# KiCad board WS2812B LED Ring7.kicad_pcb (continued)
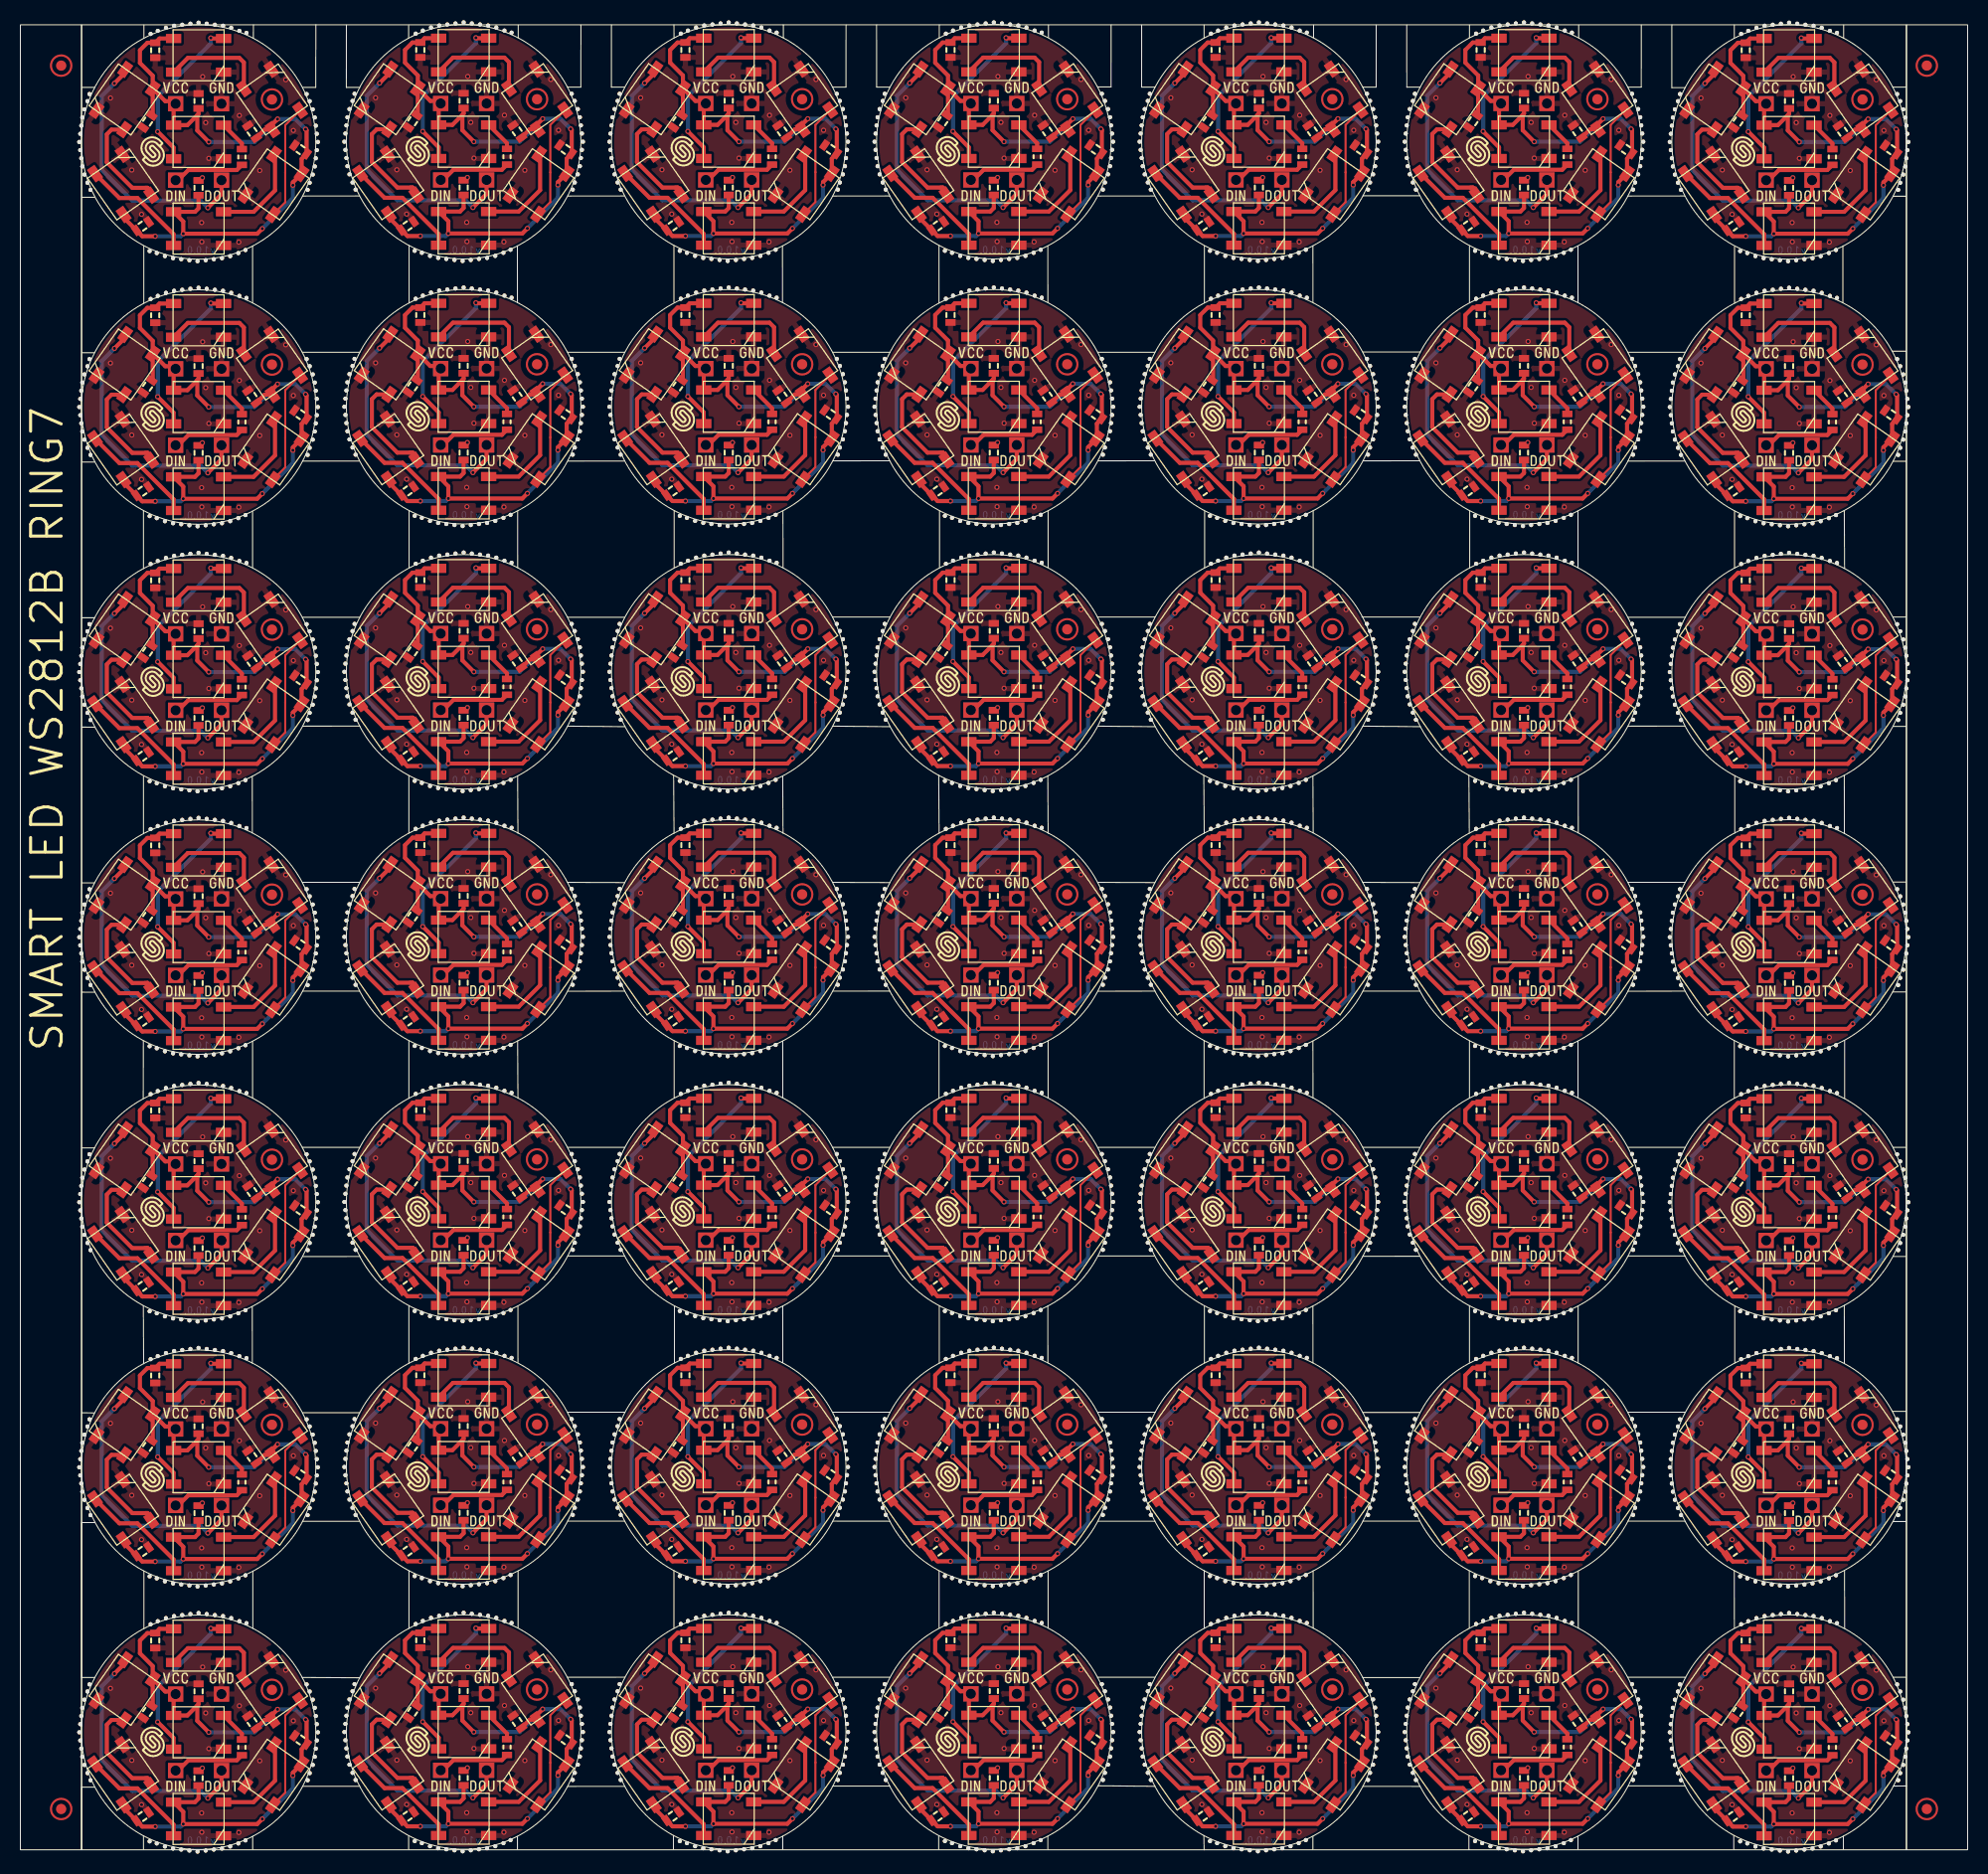
[diagram p0: board, top side]
## Placement (name value [footprint] x y rotation side) (continued)
REF**#671  -  [HOLE_0.5mm]  12.67 130.83 270 top
REF**#672  -  [HOLE_0.5mm]  161.97 87.94 180 top
REF**#673  -  [HOLE_0.5mm]  40.97 104.16 270 top
REF**#674  -  [HOLE_0.5mm]  184.88 143.94 0 top
REF**#675  -  [HOLE_0.5mm]  132.07 42.26 0 top
REF**#676  -  [HOLE_0.5mm]  54.88 87.16 0 top
REF**#677  -  [HOLE_0.5mm]  41.88 23.06 90 top
REF**#678  Logo-Front-SolderedFULL-15mm  [Logo-Back-SolderedFULL-15mm]  147.91 89.82 0 top
REF**#679  -  [HOLE_0.5mm]  185.07 166.73 0 top
REF**#680  -  [HOLE_0.5mm]  94.57 103.96 270 top
REF**#681  -  [HOLE_0.5mm]  58.28 92.76 180 top
REF**#682  -  [HOLE_0.5mm]  158.97 139.96 0 top
REF**#683  -  [HOLE_0.5mm]  176.68 178.73 90 top
REF**#684  -  [HOLE_0.5mm]  70.97 130.06 270 top
REF**#685  -  [HOLE_0.5mm]  45.08 127.06 90 top
REF**#686  -  [HOLE_0.5mm]  67.07 100.96 90 top
REF**#687  -  [HOLE_0.5mm]  178.18 126.23 90 top
REF**#688  -  [HOLE_0.5mm]  148.18 129.96 270 top
REF**#689  -  [HOLE_0.5mm]  5.78 115.53 180 top
REF**#690  -  [HOLE_0.5mm]  28.88 65.94 0 top
REF**#691  -  [HOLE_0.5mm]  83.88 62.76 180 top
REF**#692  -  [HOLE_0.5mm]  110.57 111.56 180 top
REF**#693  -  [HOLE_0.5mm]  132.88 143.96 0 top
REF**#694  -  [HOLE_0.5mm]  74.18 48.26 90 top
REF**#695  -  [HOLE_0.5mm]  15.08 22.94 90 top
REF**#696  -  [HOLE_0.5mm]  57.88 140.76 180 top
REF**#697  -  [HOLE_0.5mm]  38.78 22.16 90 top
REF**#698  -  [HOLE_0.5mm]  118.28 100.76 90 top
REF**#699  Logo-Front-SolderedFULL-15mm  [Logo-Back-SolderedFULL-15mm]  121.91 115.82 0 top
REF**#700  -  [HOLE_0.5mm]  54.38 137.56 0 top
REF**#701  -  [HOLE_0.5mm]  84.28 92.76 180 top
REF**#702  -  [HOLE_0.5mm]  83.88 64.36 180 top
REF**#703  -  [HOLE_0.5mm]  92.97 156.16 270 top
REF**#704  -  [HOLE_0.5mm]  120.68 127.16 90 top
REF**#705  -  [HOLE_0.5mm]  150.68 100.76 90 top
REF**#706  -  [HOLE_0.5mm]  168.78 74.13 90 top
REF**#707  -  [HOLE_0.5mm]  5.88 142.33 180 top
REF**#708  -  [HOLE_0.5mm]  136.88 162.86 180 top
REF**#709  -  [HOLE_0.5mm]  136.07 117.96 180 top
REF**#710  -  [HOLE_0.5mm]  132.38 93.56 0 top
REF**#711  -  [HOLE_0.5mm]  31.97 139.96 180 top
REF**#712  -  [HOLE_0.5mm]  109.88 168.36 180 top
REF**#713  -  [HOLE_0.5mm]  84.28 14.76 180 top
REF**#714  -  [HOLE_0.5mm]  162.57 41.53 180 top
REF**#715  -  [HOLE_0.5mm]  118.18 156.36 270 top
REF**#716  -  [HOLE_0.5mm]  71.78 26.16 270 top
REF**#717  -  [HOLE_0.5mm]  162.28 14.73 180 top
REF**#718  -  [HOLE_0.5mm]  184.07 120.23 0 top
REF**#719  -  [HOLE_0.5mm]  54.88 13.96 0 top
REF**#720  -  [HOLE_0.5mm]  15.08 100.94 90 top
REF**#721  -  [HOLE_0.5mm]  184.68 144.73 0 top
REF**#722  -  [HOLE_0.5mm]  29.17 37.53 0 top
REF**#723  -  [HOLE_0.5mm]  169.47 126.44 90 top
REF**#724  -  [HOLE_0.5mm]  158.38 41.56 0 top
REF**#725  -  [HOLE_0.5mm]  170.18 0.33 270 top
REF**#726  -  [HOLE_0.5mm]  80.88 91.96 0 top
REF**#727  -  [HOLE_0.5mm]  67.07 126.96 90 top
REF**#728  -  [HOLE_0.5mm]  80.68 14.76 0 top
REF**#729  -  [HOLE_0.5mm]  57.88 38.36 180 top
REF**#730  -  [HOLE_0.5mm]  80.88 165.16 0 top
REF**#731  -  [HOLE_0.5mm]  46.67 100.76 90 top
REF**#732  -  [HOLE_0.5mm]  41.88 49.06 90 top
REF**#733  -  [HOLE_0.5mm]  38.67 0.86 270 top
REF**#734  -  [HOLE_0.5mm]  123.78 78.16 270 top
REF**#735  -  [HOLE_0.5mm]  83.97 113.96 180 top
REF**#736  -  [HOLE_0.5mm]  54.97 65.16 0 top
REF**#737  -  [HOLE_0.5mm]  80.68 118.76 0 top
REF**#738  -  [HOLE_0.5mm]  110.57 67.56 180 top
REF**#739  -  [HOLE_0.5mm]  132.88 139.16 0 top
REF**#740  -  [HOLE_0.5mm]  176.68 100.73 90 top
REF**#741  -  [HOLE_0.5mm]  95.47 179.26 90 top
REF**#742  -  [HOLE_0.5mm]  55.08 142.36 0 top
REF**#743  -  [HOLE_0.5mm]  171.88 75.03 90 top
REF**#744  -  [HOLE_0.5mm]  133.07 114.76 0 top
REF**#745  -  [HOLE_0.5mm]  55.17 167.56 0 top
REF**#746  -  [HOLE_0.5mm]  5.97 87.94 180 top
REF**#747  -  [HOLE_0.5mm]  184.97 39.13 0 top
REF**#748  -  [HOLE_0.5mm]  29.08 142.33 0 top
REF**#749  -  [HOLE_0.5mm]  16.58 155.94 270 top
REF**#750  -  [HOLE_0.5mm]  109.78 167.56 180 top
REF**#751  -  [HOLE_0.5mm]  176.57 156.33 270 top
REF**#752  -  [HOLE_0.5mm]  143.38 156.66 270 top
REF**#753  -  [HOLE_0.5mm]  80.38 67.56 0 top
REF**#754  -  [HOLE_0.5mm]  90.78 100.16 90 top
REF**#755  -  [HOLE_0.5mm]  135.97 169.16 180 top
REF**#756  -  [HOLE_0.5mm]  6.58 41.53 180 top
REF**#757  -  [HOLE_0.5mm]  184.38 171.53 0 top
REF**#758  -  [HOLE_0.5mm]  170.97 52.13 270 top
REF**#759  -  [HOLE_0.5mm]  110.78 120.26 180 top
REF**#760  -  [HOLE_0.5mm]  174.28 23.13 90 top
REF**#761  -  [HOLE_0.5mm]  80.18 162.86 0 top
REF**#762  -  [HOLE_0.5mm]  32.28 60.36 180 top
REF**#763  -  [HOLE_0.5mm]  80.88 113.16 0 top
REF**#764  -  [HOLE_0.5mm]  47.38 0.66 270 top
REF**#765  -  [HOLE_0.5mm]  73.38 156.66 270 top
REF**#766  -  [HOLE_0.5mm]  31.88 140.76 180 top
REF**#767  -  [HOLE_0.5mm]  184.97 35.94 0 top
REF**#768  -  [HOLE_0.5mm]  94.68 101.16 90 top
REF**#769  -  [HOLE_0.5mm]  184.88 35.13 0 top
REF**#770  -  [HOLE_0.5mm]  32.08 165.16 180 top
REF**#771  -  [HOLE_0.5mm]  184.38 163.53 0 top
REF**#772  -  [HOLE_0.5mm]  6.58 15.53 180 top
REF**#773  -  [HOLE_0.5mm]  178.07 78.94 270 top
REF**#774  -  [HOLE_0.5mm]  116.68 156.86 270 top
REF**#775  -  [HOLE_0.5mm]  97.78 52.16 270 top
REF**#776  -  [HOLE_0.5mm]  6.08 13.94 180 top
REF**#777  -  [HOLE_0.5mm]  161.88 38.33 180 top
REF**#778  -  [HOLE_0.5mm]  158.38 163.56 0 top
REF**#779  -  [HOLE_0.5mm]  43.38 25.86 270 top
REF**#780  -  [HOLE_0.5mm]  80.88 143.96 0 top
REF**#781  -  [HOLE_0.5mm]  64.68 130.86 270 top
REF**#782  -  [HOLE_0.5mm]  124.68 100.76 90 top
REF**#783  -  [HOLE_0.5mm]  5.88 12.33 180 top
REF**#784  -  [HOLE_0.5mm]  126.07 52.96 270 top
REF**#785  -  [HOLE_0.5mm]  54.38 145.56 0 top
REF**#786  -  [HOLE_0.5mm]  93.07 178.96 90 top
REF**#787  -  [HOLE_0.5mm]  150.57 156.36 270 top
REF**#788  -  [HOLE_0.5mm]  55.08 88.76 0 top
REF**#789  -  [HOLE_0.5mm]  168.68 0.83 270 top
REF**#790  -  [HOLE_0.5mm]  95.47 101.26 90 top
REF**#791  -  [HOLE_0.5mm]  40.28 74.76 90 top
REF**#792  -  [HOLE_0.5mm]  136.07 39.96 180 top
REF**#793  -  [HOLE_0.5mm]  31.88 36.76 180 top
REF**#794  -  [HOLE_0.5mm]  28.38 119.53 0 top
REF**#795  -  [HOLE_0.5mm]  147.38 129.86 270 top
REF**#796  -  [HOLE_0.5mm]  48.08 104.96 270 top
REF**#797  -  [HOLE_0.5mm]  135.97 61.96 180 top
REF**#798  -  [HOLE_0.5mm]  116.68 78.86 270 top
REF**#799  -  [HOLE_0.5mm]  68.68 23.16 90 top
REF**#800  -  [HOLE_0.5mm]  90.78 48.16 90 top
REF**#801  -  [HOLE_0.5mm]  121.47 153.26 90 top
REF**#802  -  [HOLE_0.5mm]  69.38 155.86 270 top
REF**#803  -  [HOLE_0.5mm]  5.78 11.53 180 top
REF**#804  -  [HOLE_0.5mm]  39.47 100.46 90 top
REF**#805  -  [HOLE_0.5mm]  28.88 87.13 0 top
REF**#806  -  [HOLE_0.5mm]  152.07 104.96 270 top
REF**#807  -  [HOLE_0.5mm]  31.78 167.56 180 top
REF**#808  -  [HOLE_0.5mm]  32.58 85.56 180 top
REF**#809  -  [HOLE_0.5mm]  48.08 156.96 270 top
REF**#810  -  [HOLE_0.5mm]  136.28 138.36 180 top
REF**#811  -  [HOLE_0.5mm]  32.88 162.86 180 top
REF**#812  -  [HOLE_0.5mm]  84.28 34.36 180 top
REF**#813  -  [HOLE_0.5mm]  177.47 152.44 90 top
REF**#814  -  [HOLE_0.5mm]  84.28 8.36 180 top
REF**#815  -  [HOLE_0.5mm]  40.28 152.76 90 top
REF**#816  -  [HOLE_0.5mm]  175.88 152.94 90 top
REF**#817  -  [HOLE_0.5mm]  145.78 52.06 270 top
REF**#818  -  [HOLE_0.5mm]  47.38 130.66 270 top
REF**#819  -  [HOLE_0.5mm]  135.97 117.16 180 top
REF**#820  -  [HOLE_0.5mm]  122.97 52.06 270 top
REF**#821  -  [HOLE_0.5mm]  106.97 65.16 0 top
REF**#822  -  [HOLE_0.5mm]  91.38 52.66 270 top
REF**#823  -  [HOLE_0.5mm]  80.38 41.56 0 top
REF**#824  -  [HOLE_0.5mm]  97.88 178.96 90 top
REF**#825  -  [HOLE_0.5mm]  147.38 155.86 270 top
REF**#826  -  [HOLE_0.5mm]  136.28 86.36 180 top
REF**#827  -  [HOLE_0.5mm]  90.68 78.86 270 top
REF**#828  -  [HOLE_0.5mm]  158.97 61.96 0 top
REF**#829  -  [HOLE_0.5mm]  172.68 49.13 90 top
REF**#830  -  [HOLE_0.5mm]  178.18 74.23 90 top
REF**#831  -  [HOLE_0.5mm]  54.67 164.36 0 top
REF**#832  -  [HOLE_0.5mm]  117.38 156.66 270 top
REF**#833  -  [HOLE_0.5mm]  6.28 144.73 180 top
REF**#834  -  [HOLE_0.5mm]  22.17 178.23 90 top
REF**#835  -  [HOLE_0.5mm]  67.07 152.96 90 top
REF**#836  -  [HOLE_0.5mm]  83.88 116.36 180 top
REF**#837  -  [HOLE_0.5mm]  54.38 111.56 0 top
REF**#838  -  [HOLE_0.5mm]  55.08 90.36 0 top
REF**#839  -  [HOLE_0.5mm]  123.88 152.96 90 top
REF**#840  -  [HOLE_0.5mm]  132.38 41.56 0 top
REF**#841  -  [HOLE_0.5mm]  121.47 75.26 90 top
REF**#842  -  [HOLE_0.5mm]  21.38 156.63 270 top
REF**#843  -  [HOLE_0.5mm]  169.47 74.44 90 top
REF**#844  -  [HOLE_0.5mm]  161.88 62.73 180 top
REF**#845  -  [HOLE_0.5mm]  123.78 104.16 270 top
REF**#846  -  [HOLE_0.5mm]  185.07 64.33 0 top
REF**#847  -  [HOLE_0.5mm]  58.58 163.56 180 top
REF**#848  -  [HOLE_0.5mm]  106.07 120.26 0 top
REF**#849  -  [HOLE_0.5mm]  40.97 130.16 270 top
REF**#850  -  [HOLE_0.5mm]  28.08 94.23 0 top
REF**#851  -  [HOLE_0.5mm]  16.58 -0.06 270 top
REF**#852  -  [HOLE_0.5mm]  132.68 66.76 0 top
REF**#853  -  [HOLE_0.5mm]  83.97 169.16 180 top
REF**#854  -  [HOLE_0.5mm]  54.08 172.26 0 top
REF**#855  -  [HOLE_0.5mm]  45.08 101.06 90 top
REF**#856  Logo-Front-SolderedFULL-15mm  [Logo-Back-SolderedFULL-15mm]  17.91 63.79 0 top
REF**#857  -  [HOLE_0.5mm]  122.28 127.16 90 top
REF**#858  -  [HOLE_0.5mm]  54.97 165.96 0 top
REF**#859  -  [HOLE_0.5mm]  54.17 6.86 0 top
REF**#860  -  [HOLE_0.5mm]  162.07 9.13 180 top
REF**#861  -  [HOLE_0.5mm]  158.97 117.16 0 top
REF**#862  -  [HOLE_0.5mm]  117.47 126.46 90 top
REF**#863  -  [HOLE_0.5mm]  94.57 77.96 270 top
REF**#864  -  [HOLE_0.5mm]  132.97 9.96 0 top
REF**#865  -  [HOLE_0.5mm]  21.38 52.63 270 top
REF**#866  -  [HOLE_0.5mm]  135.97 87.96 180 top
REF**#867  -  [HOLE_0.5mm]  121.38 51.86 270 top
REF**#868  -  [HOLE_0.5mm]  149.78 156.16 270 top
REF**#869  -  [HOLE_0.5mm]  158.07 120.26 0 top
REF**#870  -  [HOLE_0.5mm]  84.07 39.96 180 top
REF**#871  -  [HOLE_0.5mm]  135.97 9.96 180 top
REF**#872  -  [HOLE_0.5mm]  96.18 155.96 270 top
REF**#873  -  [HOLE_0.5mm]  28.08 172.23 0 top
REF**#874  -  [HOLE_0.5mm]  83.97 143.16 180 top
REF**#875  -  [HOLE_0.5mm]  106.97 165.96 0 top
REF**#876  -  [HOLE_0.5mm]  18.17 103.94 270 top
REF**#877  -  [HOLE_0.5mm]  93.07 74.96 90 top
REF**#878  -  [HOLE_0.5mm]  99.38 130.66 270 top
REF**#879  -  [HOLE_0.5mm]  28.38 7.53 0 top
REF**#880  -  [HOLE_0.5mm]  80.68 112.36 0 top
REF**#881  -  [HOLE_0.5mm]  149.88 100.96 90 top
REF**#882  -  [HOLE_0.5mm]  54.17 136.86 0 top
REF**#883  -  [HOLE_0.5mm]  144.28 178.76 90 top
REF**#884  -  [HOLE_0.5mm]  55.17 89.56 0 top
REF**#885  -  [HOLE_0.5mm]  80.97 39.16 0 top
REF**#886  -  [HOLE_0.5mm]  64.78 126.16 90 top
REF**#887  -  [HOLE_0.5mm]  171.88 49.03 90 top
REF**#888  -  [HOLE_0.5mm]  178.07 104.94 270 top
REF**#889  -  [HOLE_0.5mm]  12.78 22.13 90 top
REF**#890  -  [HOLE_0.5mm]  70.28 153.16 90 top
REF**#891  -  [HOLE_0.5mm]  5.88 62.73 180 top
REF**#892  -  [HOLE_0.5mm]  132.07 146.26 0 top
REF**#893  -  [HOLE_0.5mm]  74.07 104.96 270 top
REF**#894  -  [HOLE_0.5mm]  184.97 91.13 0 top
REF**#895  -  [HOLE_0.5mm]  158.97 35.96 0 top
REF**#896  -  [HOLE_0.5mm]  159.18 37.56 0 top
REF**#897  -  [HOLE_0.5mm]  136.78 94.26 180 top
REF**#898  -  [HOLE_0.5mm]  149.07 153.06 90 top
REF**#899  -  [HOLE_0.5mm]  98.57 156.36 270 top
REF**#900  -  [HOLE_0.5mm]  123.07 179.06 90 top
REF**#901  -  [HOLE_0.5mm]  68.57 155.96 270 top
REF**#902  -  [HOLE_0.5mm]  185.18 115.53 0 top
REF**#903  -  [HOLE_0.5mm]  162.57 137.53 180 top
REF**#904  -  [HOLE_0.5mm]  18.17 -0.06 270 top
REF**#905  -  [HOLE_0.5mm]  80.18 58.86 0 top
REF**#906  -  [HOLE_0.5mm]  16.67 75.13 90 top
REF**#907  -  [HOLE_0.5mm]  54.38 33.56 0 top
REF**#908  -  [HOLE_0.5mm]  158.18 162.86 0 top
REF**#909  -  [HOLE_0.5mm]  173.38 103.83 270 top
REF**#910  -  [HOLE_0.5mm]  175.78 0.13 270 top
REF**#911  -  [HOLE_0.5mm]  158.88 65.96 0 top
REF**#912  -  [HOLE_0.5mm]  45.88 178.96 90 top
REF**#913  -  [HOLE_0.5mm]  132.88 35.16 0 top
REF**#914  -  [HOLE_0.5mm]  158.18 136.86 0 top
REF**#915  -  [HOLE_0.5mm]  145.78 78.06 270 top
REF**#916  -  [HOLE_0.5mm]  132.38 111.56 0 top
REF**#917  -  [HOLE_0.5mm]  48.17 100.26 90 top
REF**#918  -  [HOLE_0.5mm]  142.78 126.16 90 top
REF**#919  -  [HOLE_0.5mm]  80.97 61.96 0 top
REF**#920  -  [HOLE_0.5mm]  185.07 140.73 0 top
REF**#921  Logo-Front-SolderedFULL-15mm  [Logo-Back-SolderedFULL-15mm]  69.91 115.82 0 top
REF**#922  -  [HOLE_0.5mm]  16.58 51.94 270 top
REF**#923  -  [HOLE_0.5mm]  22.08 104.94 270 top
REF**#924  -  [HOLE_0.5mm]  97.07 179.06 90 top
REF**#925  Logo-Front-SolderedFULL-15mm  [Logo-Back-SolderedFULL-15mm]  121.91 11.82 0 top
REF**#926  -  [HOLE_0.5mm]  22.08 130.94 270 top
REF**#927  -  [HOLE_0.5mm]  148.28 75.16 90 top
REF**#928  -  [HOLE_0.5mm]  161.88 114.73 180 top
REF**#929  -  [HOLE_0.5mm]  42.67 23.16 90 top
REF**#930  -  [HOLE_0.5mm]  17.47 179.23 90 top
REF**#931  -  [HOLE_0.5mm]  32.58 163.56 180 top
REF**#932  -  [HOLE_0.5mm]  126.07 130.96 270 top
REF**#933  -  [HOLE_0.5mm]  147.47 127.26 90 top
REF**#934  -  [HOLE_0.5mm]  98.57 130.36 270 top
REF**#935  -  [HOLE_0.5mm]  133.18 37.56 0 top
REF**#936  -  [HOLE_0.5mm]  184.68 66.73 0 top
REF**#937  -  [HOLE_0.5mm]  18.17 77.94 270 top
REF**#938  -  [HOLE_0.5mm]  20.58 104.33 270 top
REF**#939  -  [HOLE_0.5mm]  132.18 162.86 0 top
REF**#940  Logo-Front-SolderedFULL-15mm  [Logo-Back-SolderedFULL-15mm]  95.91 141.82 0 top
REF**#941  -  [HOLE_0.5mm]  135.88 88.76 180 top
REF**#942  Logo-Front-SolderedFULL-15mm  [Logo-Back-SolderedFULL-15mm]  69.91 11.82 0 top
REF**#943  -  [HOLE_0.5mm]  5.78 167.53 180 top
REF**#944  -  [HOLE_0.5mm]  54.08 94.26 0 top
REF**#945  -  [HOLE_0.5mm]  43.47 23.26 90 top
REF**#946  -  [HOLE_0.5mm]  65.47 74.46 90 top
REF**#947  -  [HOLE_0.5mm]  40.17 104.36 270 top
REF**#948  -  [HOLE_0.5mm]  92.97 52.16 270 top
REF**#949  -  [HOLE_0.5mm]  95.47 23.26 90 top
REF**#950  -  [HOLE_0.5mm]  93.88 127.06 90 top
REF**#951  -  [HOLE_0.5mm]  172.57 155.94 270 top
REF**#952  -  [HOLE_0.5mm]  5.88 168.33 180 top
REF**#953  -  [HOLE_0.5mm]  22.08 0.94 270 top
REF**#954  Logo-Front-SolderedFULL-15mm  [Logo-Back-SolderedFULL-15mm]  173.91 63.79 0 top
REF**#955  -  [HOLE_0.5mm]  148.97 130.06 270 top
REF**#956  -  [HOLE_0.5mm]  119.07 100.96 90 top
REF**#957  -  [HOLE_0.5mm]  94.68 153.16 90 top
REF**#958  -  [HOLE_0.5mm]  158.38 137.56 0 top
REF**#959  -  [HOLE_0.5mm]  145.78 26.06 270 top
REF**#960  -  [HOLE_0.5mm]  80.97 87.96 0 top
REF**#961  -  [HOLE_0.5mm]  185.07 12.33 0 top
REF**#962  -  [HOLE_0.5mm]  169.38 52.63 270 top
REF**#963  -  [HOLE_0.5mm]  136.07 139.16 180 top
REF**#964  -  [HOLE_0.5mm]  42.58 -0.04 270 top
REF**#965  -  [HOLE_0.5mm]  84.07 91.96 180 top
REF**#966  -  [HOLE_0.5mm]  109.97 13.16 180 top
REF**#967  -  [HOLE_0.5mm]  73.47 48.46 90 top
REF**#968  -  [HOLE_0.5mm]  145.88 179.06 90 top
REF**#969  -  [HOLE_0.5mm]  45.78 52.16 270 top
REF**#970  -  [HOLE_0.5mm]  173.38 25.83 270 top
REF**#971  -  [HOLE_0.5mm]  152.07 0.96 270 top
REF**#972  -  [HOLE_0.5mm]  28.97 169.13 0 top
REF**#973  -  [HOLE_0.5mm]  159.07 142.36 0 top
REF**#974  -  [HOLE_0.5mm]  177.47 100.44 90 top
REF**#975  -  [HOLE_0.5mm]  184.97 13.13 0 top
REF**#976  -  [HOLE_0.5mm]  106.88 61.16 0 top
REF**#977  -  [HOLE_0.5mm]  84.28 144.76 180 top
REF**#978  -  [HOLE_0.5mm]  97.88 126.96 90 top
REF**#979  -  [HOLE_0.5mm]  19.78 156.13 270 top
REF**#980  -  [HOLE_0.5mm]  110.07 165.16 180 top
REF**#981  -  [HOLE_0.5mm]  100.18 74.26 90 top
REF**#982  -  [HOLE_0.5mm]  14.97 78.13 270 top
REF**#983  -  [HOLE_0.5mm]  80.07 42.26 0 top
REF**#984  -  [HOLE_0.5mm]  117.38 104.66 270 top
REF**#985  -  [HOLE_0.5mm]  16.67 153.13 90 top
REF**#986  -  [HOLE_0.5mm]  22.08 156.94 270 top
REF**#987  -  [HOLE_0.5mm]  28.67 86.33 0 top
REF**#988  -  [HOLE_0.5mm]  84.28 170.76 180 top
REF**#989  -  [HOLE_0.5mm]  16.67 127.13 90 top
REF**#990  -  [HOLE_0.5mm]  118.97 130.16 270 top
REF**#991  -  [HOLE_0.5mm]  135.78 115.56 180 top
REF**#992  -  [HOLE_0.5mm]  119.88 101.06 90 top
REF**#993  -  [HOLE_0.5mm]  58.08 87.16 180 top
REF**#994  -  [HOLE_0.5mm]  117.38 26.66 270 top
REF**#995  -  [HOLE_0.5mm]  170.18 52.33 270 top
REF**#996  -  [HOLE_0.5mm]  20.58 156.33 270 top
REF**#997  -  [HOLE_0.5mm]  54.38 163.56 0 top
REF**#998  -  [HOLE_0.5mm]  136.07 87.16 180 top
REF**#999  -  [HOLE_0.5mm]  17.38 103.83 270 top
REF**#1000  -  [HOLE_0.5mm]  32.28 118.76 180 top
REF**#1001  -  [HOLE_0.5mm]  122.18 103.96 270 top
REF**#1002  -  [HOLE_0.5mm]  173.38 51.83 270 top
REF**#1003  -  [HOLE_0.5mm]  162.78 172.23 180 top
REF**#1004  -  [HOLE_0.5mm]  185.18 89.53 0 top
REF**#1005  -  [HOLE_0.5mm]  174.28 49.13 90 top
REF**#1006  -  [HOLE_0.5mm]  125.47 178.46 90 top
REF**#1007  -  [HOLE_0.5mm]  172.57 129.94 270 top
REF**#1008  -  [HOLE_0.5mm]  18.97 78.03 270 top
REF**#1009  -  [HOLE_0.5mm]  132.97 91.16 0 top
REF**#1010  -  [HOLE_0.5mm]  84.57 111.56 180 top
REF**#1011  Logo-Front-SolderedFULL-15mm  [Logo-Back-SolderedFULL-15mm]  147.91 11.82 0 top
REF**#1012  -  [HOLE_0.5mm]  106.38 85.56 0 top
REF**#1013  -  [HOLE_0.5mm]  66.97 104.16 270 top
REF**#1014  -  [HOLE_0.5mm]  83.97 139.96 180 top
REF**#1015  -  [HOLE_0.5mm]  135.88 10.76 180 top
REF**#1016  -  [HOLE_0.5mm]  98.57 52.36 270 top
REF**#1017  -  [HOLE_0.5mm]  161.97 113.94 180 top
REF**#1018  -  [HOLE_0.5mm]  32.88 6.86 180 top
REF**#1019  -  [HOLE_0.5mm]  6.58 59.53 180 top
REF**#1020  -  [HOLE_0.5mm]  80.88 39.96 0 top
REF**#1021  -  [HOLE_0.5mm]  68.57 -0.04 270 top
REF**#1022  -  [HOLE_0.5mm]  132.88 117.96 0 top
REF**#1023  -  [HOLE_0.5mm]  106.68 34.36 0 top
REF**#1024  -  [HOLE_0.5mm]  28.67 92.73 0 top
REF**#1025  -  [HOLE_0.5mm]  28.67 40.73 0 top
REF**#1026  -  [HOLE_0.5mm]  132.38 67.56 0 top
REF**#1027  -  [HOLE_0.5mm]  144.18 78.36 270 top
REF**#1028  -  [HOLE_0.5mm]  54.88 61.16 0 top
REF**#1029  -  [HOLE_0.5mm]  16.58 103.94 270 top
REF**#1030  -  [HOLE_0.5mm]  44.97 26.06 270 top
REF**#1031  -  [HOLE_0.5mm]  58.58 93.56 180 top
REF**#1032  -  [HOLE_0.5mm]  38.67 52.86 270 top
REF**#1033  -  [HOLE_0.5mm]  178.18 100.23 90 top
REF**#1034  -  [HOLE_0.5mm]  162.28 60.33 180 top
REF**#1035  -  [HOLE_0.5mm]  57.78 63.56 180 top
REF**#1036  -  [HOLE_0.5mm]  98.68 48.76 90 top
REF**#1037  -  [HOLE_0.5mm]  12.67 78.83 270 top
REF**#1038  -  [HOLE_0.5mm]  152.07 78.96 270 top
REF**#1039  -  [HOLE_0.5mm]  39.38 52.66 270 top
REF**#1040  -  [HOLE_0.5mm]  132.68 34.36 0 top
REF**#1041  -  [HOLE_0.5mm]  31.88 12.36 180 top
REF**#1042  -  [HOLE_0.5mm]  107.07 166.76 0 top
REF**#1043  -  [HOLE_0.5mm]  80.38 15.56 0 top
REF**#1044  -  [HOLE_0.5mm]  143.47 74.46 90 top
REF**#1045  -  [HOLE_0.5mm]  58.58 85.56 180 top
REF**#1046  -  [HOLE_0.5mm]  71.78 156.16 270 top
REF**#1047  -  [HOLE_0.5mm]  100.07 0.96 270 top
REF**#1048  -  [HOLE_0.5mm]  132.88 87.16 0 top
REF**#1049  -  [HOLE_0.5mm]  41.78 0.06 270 top
REF**#1050  -  [HOLE_0.5mm]  66.18 104.36 270 top
REF**#1051  -  [HOLE_0.5mm]  149.88 22.96 90 top
REF**#1052  -  [HOLE_0.5mm]  162.07 117.94 180 top
REF**#1053  -  [HOLE_0.5mm]  32.88 32.86 180 top
REF**#1054  -  [HOLE_0.5mm]  93.78 156.06 270 top
REF**#1055  -  [HOLE_0.5mm]  158.38 15.56 0 top
REF**#1056  -  [HOLE_0.5mm]  132.97 113.96 0 top
REF**#1057  -  [HOLE_0.5mm]  143.47 22.46 90 top
REF**#1058  -  [HOLE_0.5mm]  124.68 126.76 90 top
REF**#1059  -  [HOLE_0.5mm]  184.68 60.33 0 top
REF**#1060  -  [HOLE_0.5mm]  48.08 26.96 270 top
REF**#1061  -  [HOLE_0.5mm]  162.78 146.23 180 top
REF**#1062  -  [HOLE_0.5mm]  158.88 9.16 0 top
REF**#1063  -  [HOLE_0.5mm]  126.18 22.26 90 top
REF**#1064  -  [HOLE_0.5mm]  6.88 6.83 180 top
REF**#1065  -  [HOLE_0.5mm]  32.08 61.16 180 top
REF**#1066  -  [HOLE_0.5mm]  28.67 60.33 0 top
REF**#1067  -  [HOLE_0.5mm]  58.08 139.16 180 top
REF**#1068  -  [HOLE_0.5mm]  44.17 129.96 270 top
REF**#1069  -  [HOLE_0.5mm]  18.97 0.03 270 top
REF**#1070  -  [HOLE_0.5mm]  40.28 22.76 90 top
REF**#1071  -  [HOLE_0.5mm]  6.08 165.13 180 top
REF**#1072  -  [HOLE_0.5mm]  133.18 115.56 0 top
REF**#1073  -  [HOLE_0.5mm]  173.47 23.23 90 top
REF**#1074  -  [HOLE_0.5mm]  106.68 138.36 0 top
REF**#1075  -  [HOLE_0.5mm]  162.57 171.53 180 top
REF**#1076  -  [HOLE_0.5mm]  54.97 87.96 0 top
REF**#1077  -  [HOLE_0.5mm]  81.18 167.56 0 top
REF**#1078  -  [HOLE_0.5mm]  100.18 152.26 90 top
REF**#1079  Logo-Front-SolderedFULL-15mm  [Logo-Back-SolderedFULL-15mm]  95.91 115.82 0 top
REF**#1080  -  [HOLE_0.5mm]  29.08 88.73 0 top
REF**#1081  -  [HOLE_0.5mm]  20.67 48.73 90 top
REF**#1082  -  [HOLE_0.5mm]  136.07 65.96 180 top
REF**#1083  -  [HOLE_0.5mm]  95.38 -0.14 270 top
REF**#1084  -  [HOLE_0.5mm]  149.78 0.16 270 top
REF**#1085  -  [HOLE_0.5mm]  106.88 91.96 0 top
REF**#1086  -  [HOLE_0.5mm]  148.28 49.16 90 top
REF**#1087  -  [HOLE_0.5mm]  20.58 52.33 270 top
REF**#1088  -  [HOLE_0.5mm]  90.78 178.16 90 top
REF**#1089  -  [HOLE_0.5mm]  168.78 126.13 90 top
REF**#1090  -  [HOLE_0.5mm]  176.57 130.33 270 top
REF**#1091  -  [HOLE_0.5mm]  110.28 8.36 180 top
REF**#1092  -  [HOLE_0.5mm]  48.17 74.26 90 top
REF**#1093  -  [HOLE_0.5mm]  58.88 58.86 180 top
REF**#1094  -  [HOLE_0.5mm]  29.08 140.73 0 top
REF**#1095  -  [HOLE_0.5mm]  6.78 68.23 180 top
REF**#1096  -  [HOLE_0.5mm]  135.78 37.56 180 top
REF**#1097  -  [HOLE_0.5mm]  106.97 117.16 0 top
REF**#1098  -  [HOLE_0.5mm]  100.07 104.96 270 top
REF**#1099  -  [HOLE_0.5mm]  21.47 22.44 90 top
REF**#1100  -  [HOLE_0.5mm]  44.97 78.06 270 top
REF**#1101  -  [HOLE_0.5mm]  97.07 127.06 90 top
REF**#1102  -  [HOLE_0.5mm]  12.67 0.83 270 top
REF**#1103  -  [HOLE_0.5mm]  161.97 117.13 180 top
REF**#1104  -  [HOLE_0.5mm]  28.38 85.53 0 top
REF**#1105  -  [HOLE_0.5mm]  135.88 114.76 180 top
REF**#1106  -  [HOLE_0.5mm]  39.38 156.66 270 top
REF**#1107  -  [HOLE_0.5mm]  151.38 52.66 270 top
REF**#1108  -  [HOLE_0.5mm]  28.97 113.94 0 top
REF**#1109  -  [HOLE_0.5mm]  70.18 -0.04 270 top
REF**#1110  -  [HOLE_0.5mm]  81.07 168.36 0 top
REF**#1111  -  [HOLE_0.5mm]  80.68 8.36 0 top
REF**#1112  -  [HOLE_0.5mm]  117.38 78.66 270 top
REF**#1113  -  [HOLE_0.5mm]  171.78 52.03 270 top
REF**#1114  -  [HOLE_0.5mm]  106.68 66.76 0 top
REF**#1115  -  [HOLE_0.5mm]  150.68 178.76 90 top
REF**#1116  -  [HOLE_0.5mm]  142.68 130.86 270 top
REF**#1117  -  [HOLE_0.5mm]  158.97 143.16 0 top
REF**#1118  -  [HOLE_0.5mm]  109.88 140.76 180 top
REF**#1119  -  [HOLE_0.5mm]  5.97 139.94 180 top
REF**#1120  -  [HOLE_0.5mm]  70.18 25.96 270 top
REF**#1121  -  [HOLE_0.5mm]  5.88 88.73 180 top
REF**#1122  -  [HOLE_0.5mm]  158.18 32.86 0 top
REF**#1123  -  [HOLE_0.5mm]  110.88 32.86 180 top
REF**#1124  -  [HOLE_0.5mm]  158.68 14.76 0 top
REF**#1125  -  [HOLE_0.5mm]  145.78 130.06 270 top
REF**#1126  -  [HOLE_0.5mm]  14.17 26.33 270 top
REF**#1127  -  [HOLE_0.5mm]  120.68 49.16 90 top
REF**#1128  -  [HOLE_0.5mm]  123.07 101.06 90 top
REF**#1129  -  [HOLE_0.5mm]  44.97 0.06 270 top
REF**#1130  -  [HOLE_0.5mm]  64.68 26.86 270 top
REF**#1131  -  [HOLE_0.5mm]  15.78 0.03 270 top
REF**#1132  -  [HOLE_0.5mm]  47.47 178.46 90 top
REF**#1133  -  [HOLE_0.5mm]  184.18 58.83 0 top
REF**#1134  -  [HOLE_0.5mm]  31.78 89.56 180 top
REF**#1135  -  [HOLE_0.5mm]  28.08 120.23 0 top
REF**#1136  -  [HOLE_0.5mm]  65.47 178.46 90 top
REF**#1137  -  [HOLE_0.5mm]  132.97 13.16 0 top
REF**#1138  Logo-Front-SolderedFULL-15mm  [Logo-Back-SolderedFULL-15mm]  69.91 167.82 0 top
REF**#1139  -  [HOLE_0.5mm]  70.18 77.96 270 top
REF**#1140  -  [HOLE_0.5mm]  123.07 49.06 90 top
REF**#1141  -  [HOLE_0.5mm]  107.07 12.36 0 top
REF**#1142  -  [HOLE_0.5mm]  97.88 74.96 90 top
REF**#1143  -  [HOLE_0.5mm]  6.88 162.83 180 top
REF**#1144  -  [HOLE_0.5mm]  17.47 153.23 90 top
REF**#1145  -  [HOLE_0.5mm]  126.07 26.96 270 top
REF**#1146  -  [HOLE_0.5mm]  31.88 90.36 180 top
REF**#1147  -  [HOLE_0.5mm]  74.07 26.96 270 top
REF**#1148  -  [HOLE_0.5mm]  145.78 156.06 270 top
REF**#1149  -  [HOLE_0.5mm]  185.18 37.53 0 top
REF**#1150  -  [HOLE_0.5mm]  132.97 61.96 0 top
REF**#1151  -  [HOLE_0.5mm]  146.57 77.96 270 top
REF**#1152  -  [HOLE_0.5mm]  146.57 51.96 270 top
REF**#1153  -  [HOLE_0.5mm]  176.57 78.33 270 top
REF**#1154  -  [HOLE_0.5mm]  143.47 152.46 90 top
REF**#1155  -  [HOLE_0.5mm]  70.97 52.06 270 top
REF**#1156  -  [HOLE_0.5mm]  124.57 78.36 270 top
REF**#1157  -  [HOLE_0.5mm]  106.97 143.16 0 top
REF**#1158  -  [HOLE_0.5mm]  106.68 164.36 0 top
REF**#1159  -  [HOLE_0.5mm]  40.17 130.36 270 top
REF**#1160  -  [HOLE_0.5mm]  54.88 139.16 0 top
REF**#1161  -  [HOLE_0.5mm]  168.78 100.13 90 top
REF**#1162  -  [HOLE_0.5mm]  152.18 178.26 90 top
REF**#1163  -  [HOLE_0.5mm]  18.28 179.13 90 top
REF**#1164  -  [HOLE_0.5mm]  119.88 49.06 90 top
REF**#1165  -  [HOLE_0.5mm]  83.78 115.56 180 top
REF**#1166  -  [HOLE_0.5mm]  28.88 39.94 0 top
REF**#1167  -  [HOLE_0.5mm]  70.28 75.16 90 top
REF**#1168  -  [HOLE_0.5mm]  162.78 68.23 180 top
REF**#1169  Logo-Front-SolderedFULL-15mm  [Logo-Back-SolderedFULL-15mm]  173.91 141.79 0 top
REF**#1170  -  [HOLE_0.5mm]  145.78 0.06 270 top
REF**#1171  -  [HOLE_0.5mm]  6.58 7.53 180 top
REF**#1172  -  [HOLE_0.5mm]  185.07 90.33 0 top
REF**#1173  -  [HOLE_0.5mm]  67.78 104.06 270 top
REF**#1174  -  [HOLE_0.5mm]  124.57 26.36 270 top
REF**#1175  -  [HOLE_0.5mm]  96.18 -0.04 270 top
